# Altium PCB k210.PcbDoc (part 1 of 2)
Units mil, origin at the board's own origin, x right, y up, seen from the top; angles counter-clockwise.
Board outline 2559.06 x 1453.3 mil, 4 copper layers (TOP1, GND2, PWR3, Bottom 4), stack 23.756 mil thick; 94 components, 79 nets, 466 pads, 294 vias.
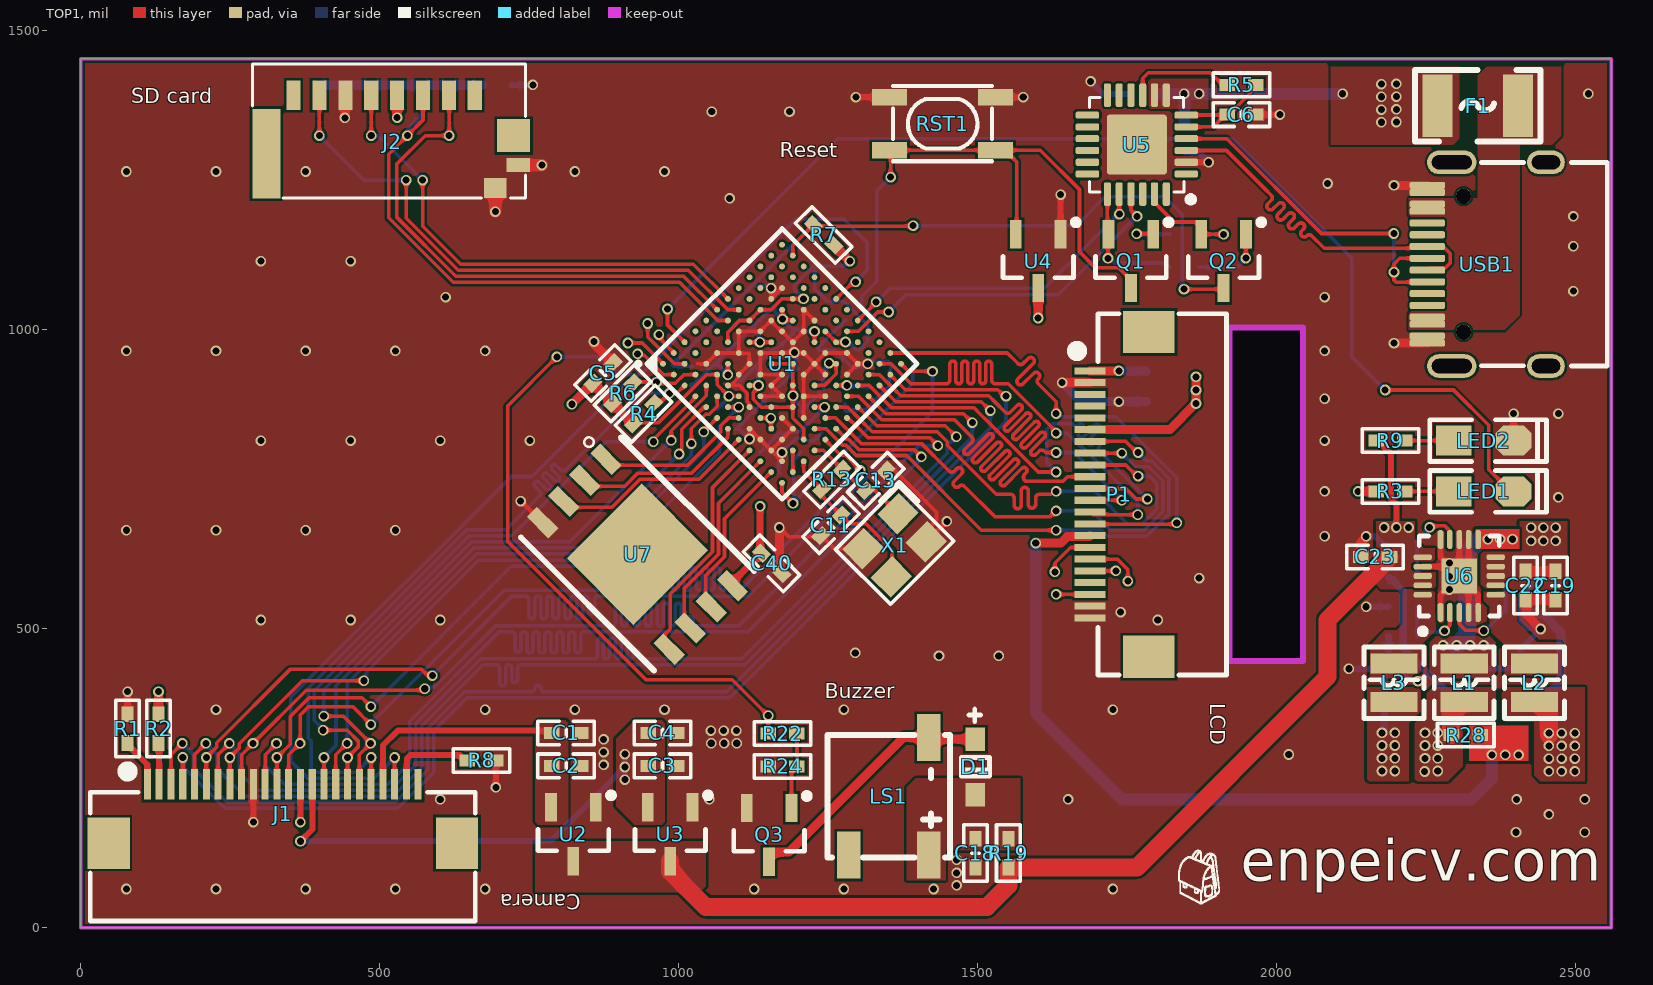
[diagram p0: TOP1 view]
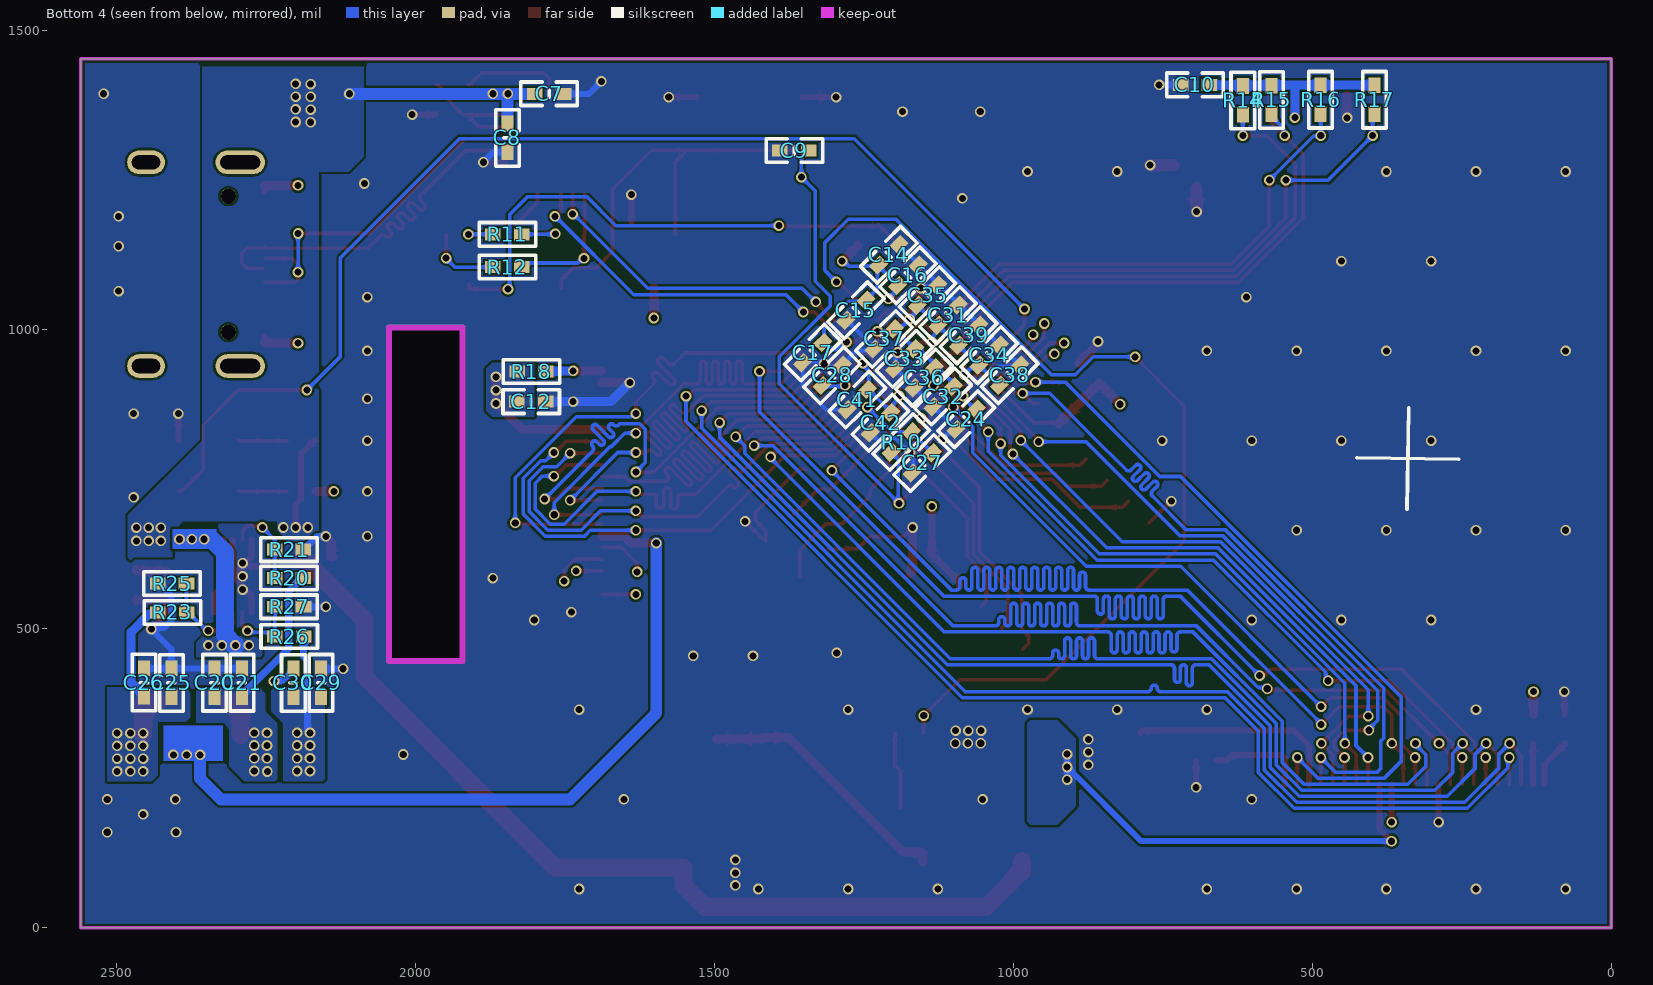
[diagram p1: Bottom 4 view, seen from below]
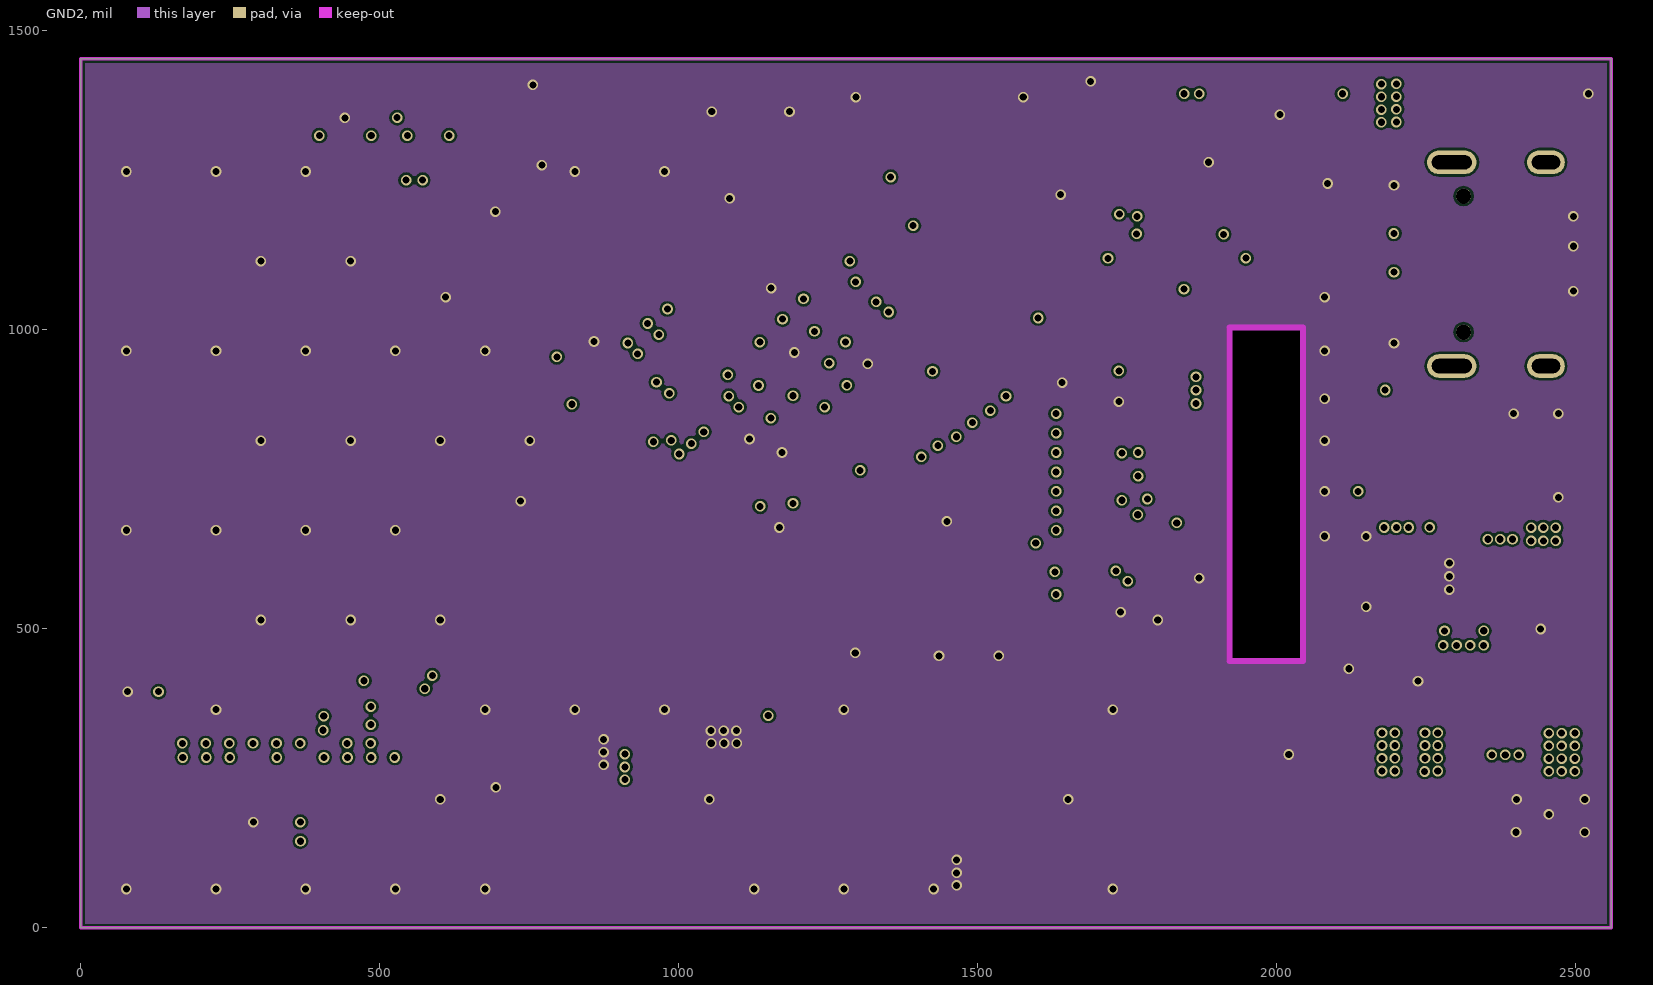
[diagram p2: GND2]
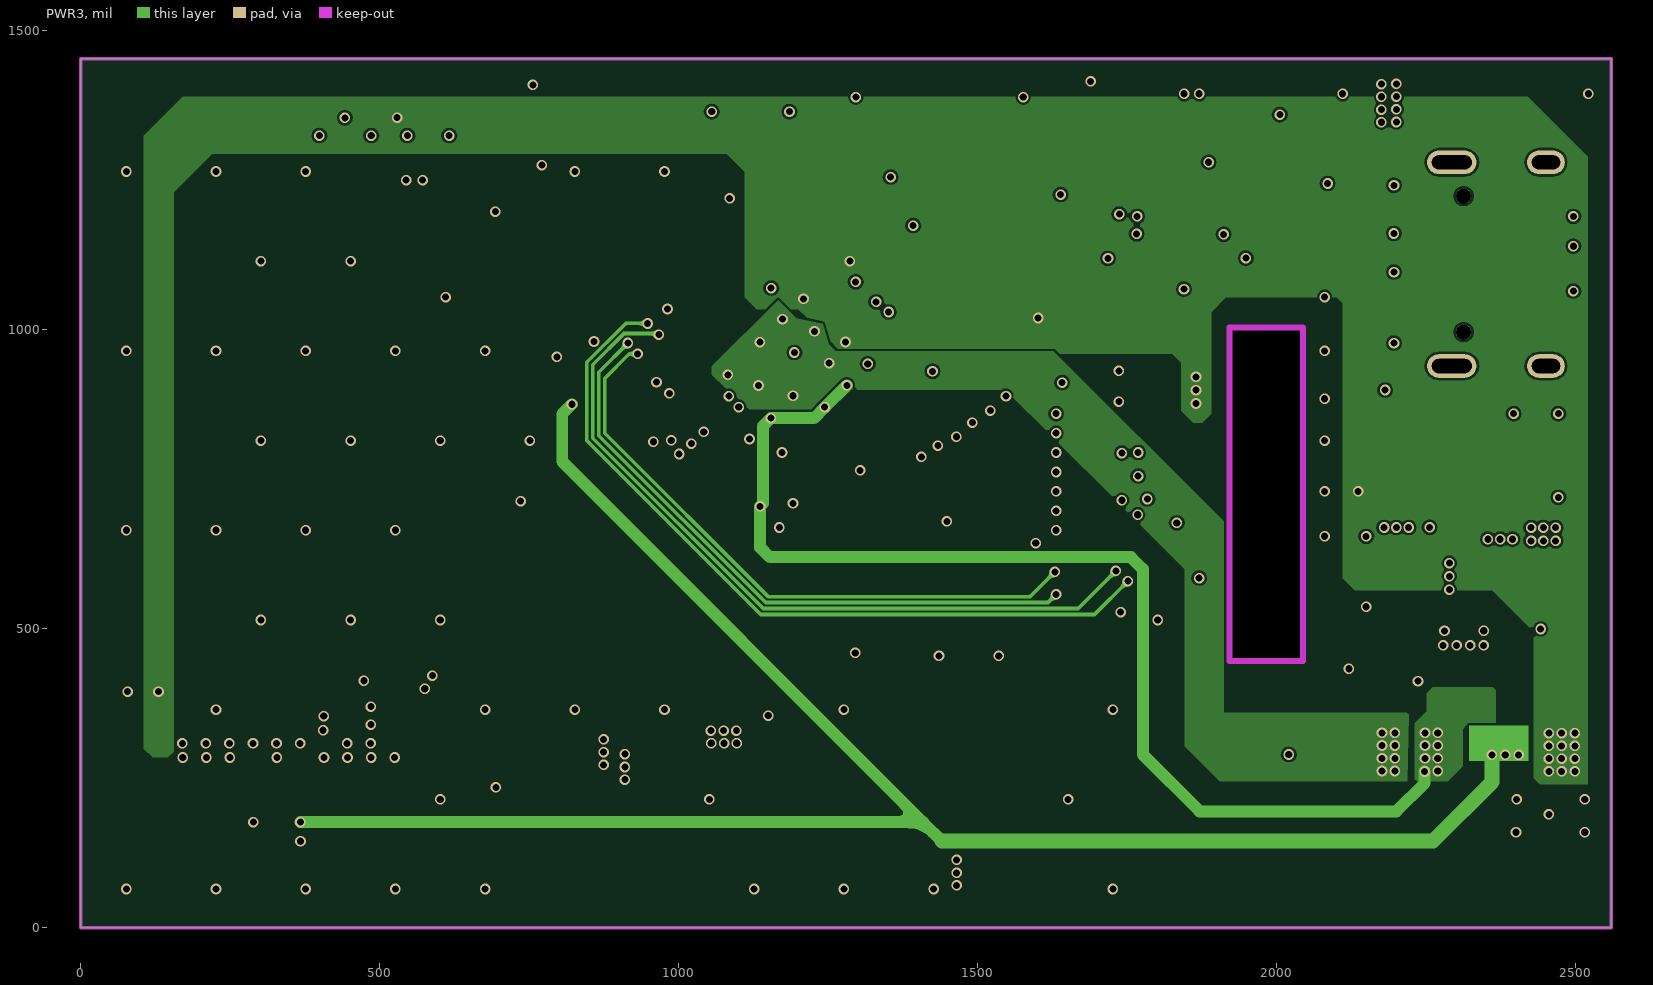
[diagram p3: PWR3]
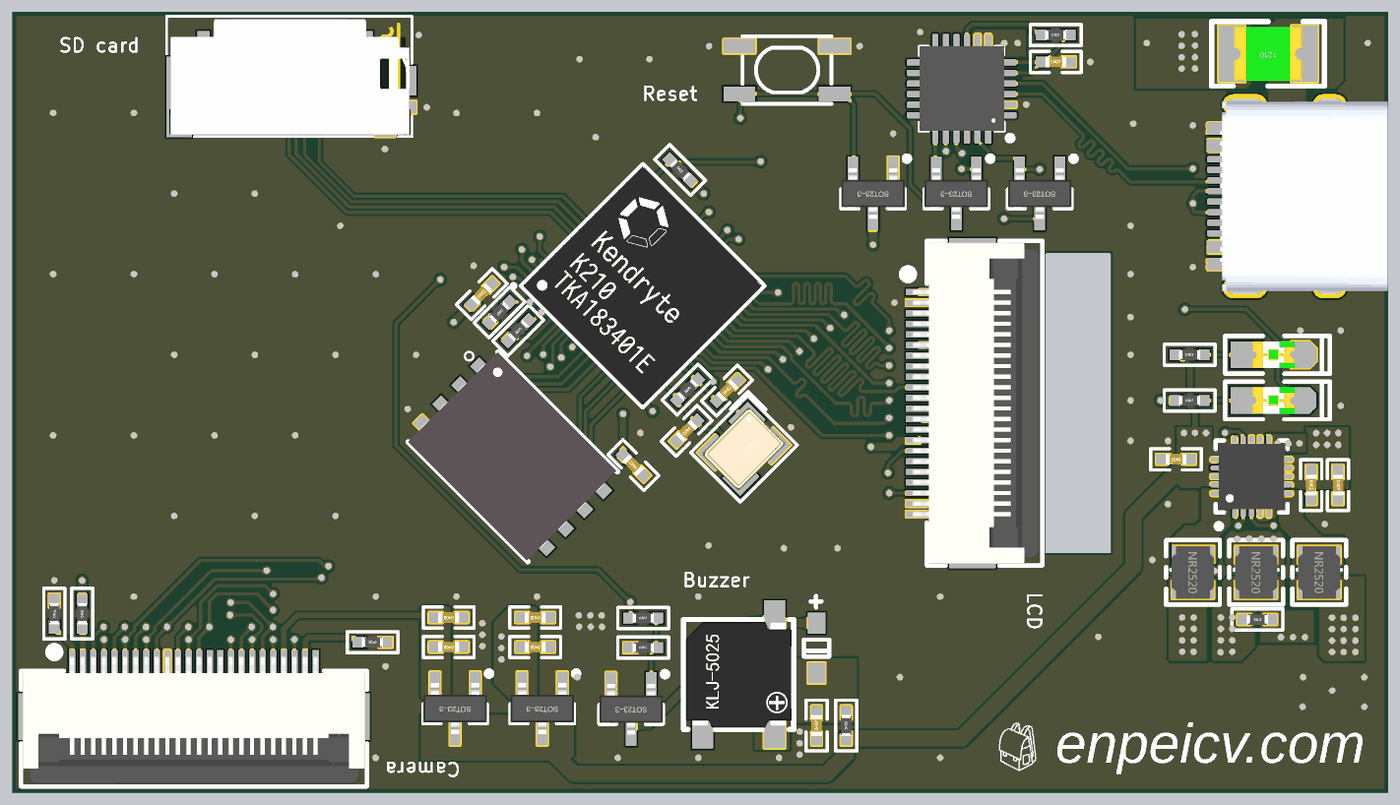
[diagram p5: 3D render of the assembled board from above, using the file's embedded part models]
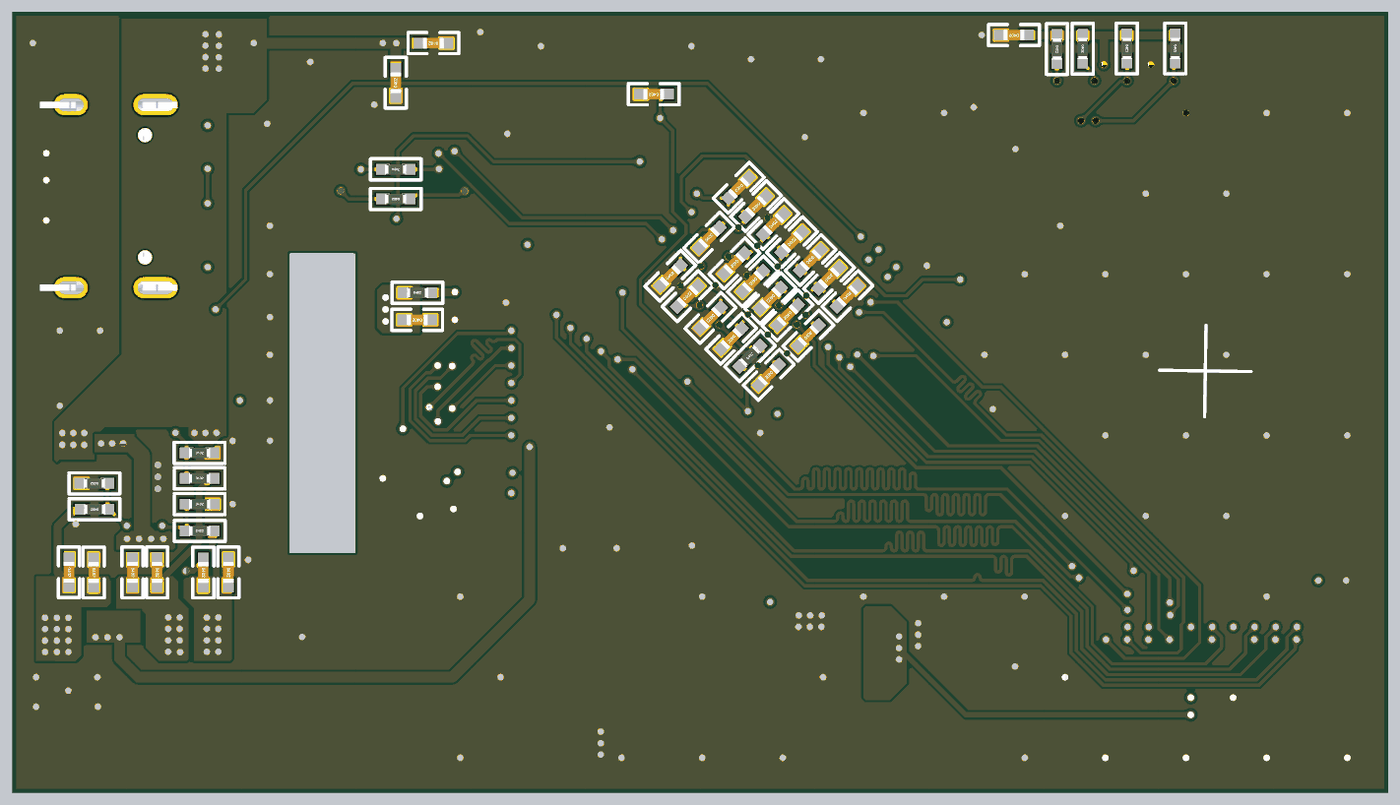
[diagram p6: 3D render of the assembled board from below, using the file's embedded part models]

## Layer stack, top to bottom
Top Solder: solder mask 0.4, Solder Resist, Dk 3.5
TOP1: signal copper 1.4
Dielectric 2: prepreg 2.8, PP-006, Dk 4.1
GND2: signal copper 1.378
Dielectric 1: dielectric 12.6, FR-4, Dk 4.8
PWR3: signal copper 1.378
Dielectric 3: prepreg 2.8, PP-006, Dk 4.1
Bottom 4: signal copper 1.4
Bottom Solder: solder mask 0.4, Solder Resist, Dk 3.5

## Board outline
0,0 0,1453.3 2559.06,1453.3 2559.06,0
cut-out: 1920.94,446.25 2043.45,446.25 2043.45,1003.75 1920.94,1003.75

## Design rules (kind name [scope] priority, off if disabled: settings)
Clearance [All] p1: gap=4 ignorepadtopadclearanceinfootprint=TRUE
MatchedLengths CAMERA_IIC [InxSignalClass('CMERA_IIC')] p1: tolerance=5 checknetsindiffpair=FALSE checkdiffpairvsdiffpair=TRUE checkxsignals=TRUE checkothers=TRUE
MatchedLengths USB [InxSignalClass('USB')] p2: tolerance=5 checknetsindiffpair=FALSE checkdiffpairvsdiffpair=TRUE checkxsignals=TRUE checkothers=TRUE
MatchedLengths CAMERA_SIGNAL [InxSignalClass('CAMERA_SIGNAL')] p3: tolerance=5 checknetsindiffpair=FALSE checkdiffpairvsdiffpair=TRUE checkxsignals=TRUE checkothers=TRUE
MatchedLengths LCD_SIGNAL [InxSignalClass('LCD_SIGNAL')] p4: tolerance=5 checknetsindiffpair=FALSE checkdiffpairvsdiffpair=TRUE checkxsignals=TRUE checkothers=TRUE
PlaneClearance [All] p1: clearance=7
PlaneConnect [All] p1: planeconnectstyle=Direct reliefexpansion=20 reliefentries=4 reliefconductorwidth=10 reliefairgap=10
PolygonConnect [All] p1: connectstyle=Direct reliefconductorwidth=10 reliefentries=4 polygonreliefangle="90 Angle" airgapwidth=10
RoutingVias [All] p1: holewidth=10 width=16 viastyle="Through Hole" minholewidth=8 minwidth=14 maxholewidth=12 maxwidth=24
SilkToSolderMaskClearance [IsPad] p1: minsilkscreentomaskgap=2 clearancetoexposedcopper=TRUE
SolderMaskExpansion [All] p1: expansion=2.5 istentingtop=FALSE
UnRoutedNet [All] p1: checkbadconnections=TRUE
Width PWR [InNetClass('PWR')] p1: maxlimit=100 minlimit=6 preferedwidth=15
Width [All] p2: maxlimit=15 minlimit=6 preferedwidth=6
26 further rules are at their usual default settings.

## Classes and differential pairs
net class CAMERA_IIC: DVP_SCL DVP_SDA
net class USB: USB-PWR-DM USB-PWR-DP
net class CAMERA_SIGNAL: DVP_Y2 DVP_Y3 DVP_Y4 DVP_Y5 DVP_Y6 DVP_Y7 DVP_Y8 DVP_Y9
net class LCD_SIGNAL: SPI0_D0 SPI0_D1 SPI0_D2 SPI0_D3 SPI0_D4 SPI0_D5 SPI0_D6 SPI0_D7
net class PWR: 0V9 1V8 3V3 AGND AVDD_2V8 DVDD_1V3 GND NetL1_1 NetL2_1 NetL3_1 VBUS VCC_BANK VIN

## Components (designator, comment, footprint, x,y, rotation, side; value= is the part's Value field where it differs from the comment)
C1 "10uF" "C 0402_M" 811.58,326.09 r180 top
C2 "0.1uF" "C 0402_M" 811.58,271.09 r180 top
C3 "10uF" "C 0402_M" 972.58,271.09 r180 top
C4 "0.1uF" "C 0402_M" 972.58,326.09 r180 top
C5 "10uF" "C 0402_M" 873.2,928 r45 top
C6 "10uF" "C 0402_M" 1940.94,1360 r0 top
C7 "10uF" "C 0402_M" 1775.94,1395 r0 bottom
C8 "0.1uF" "C 0402_M" 1845.88,1321.27 r90 bottom
C9 "0.1uF" "C 0402_M" 1365.94,1300 r0 bottom
C10 "0.1uF" "C 0402_M" 695.94,1410 r0 bottom
C11 "12pF" "C 0402_M" 1254.35,673.41 r225 top
C12 "0.1uF" "C 0402_M" 1805.94,880 r0 bottom
C13 "12pF" "C 0402_M" 1329.35,748.41 r45 top
C14 "0.1uF" "C 0402_M" 1207.84,1125.76 r315 bottom
C15 "0.1uF" "C 0402_M" 1262.92,1033.03 r135 bottom
C16 "0.1uF" "C 0402_M" 1175.86,1091.5 r315 bottom
C17 "4.7uF" "C 0402_M" 1335.2,962.14 r135 bottom
C18 "10uF" "C 0402_M" 1495.94,125 r90 top
C19 "10uF" "C 0402_M" 2465.94,572.5 r270 top
C20 "10uF" "C 0402_M" 2335.55,410.02 r270 bottom
C21 "0.1uF" "C 0402_M" 2289.91,410.02 r270 bottom
C22 "10uF" "C 0402_M" 2415.94,572.5 r270 top
C23 "10uF" "C 0402_M" 2164.49,620.57 r180 top
C24 "0.1uF" "C 0402_M" 1078.44,850.7 r135 bottom
C25 "10uF" "C 0402_M" 2407.86,409.89 r270 bottom
C26 "0.1uF" "C 0402_M" 2453.68,410.21 r270 bottom
C27 "0.1uF" "C 0402_M" 1152.15,777.57 r315 bottom
C28 "0.1uF" "C 0402_M" 1302.85,924.05 r135 bottom
C29 "10uF" "C 0402_M" 2157.29,410.02 r270 bottom
C30 "0.1uF" "C 0402_M" 2203.86,409.85 r270 bottom
C31 "0.1uF" "C 0402_M" 1108.76,1024.73 r135 bottom
C32 "0.1uF" "C 0402_M" 1117.11,888.57 r315 bottom
C33 "0.1uF" "C 0402_M" 1181.65,951.65 r315 bottom
C34 "0.1uF" "C 0402_M" 1040.02,957.8 r135 bottom
C35 "0.1uF" "C 0402_M" 1143.13,1058.2 r135 bottom
C36 "0.1uF" "C 0402_M" 1148.84,920.17 r315 bottom
C37 "0.1uF" "C 0402_M" 1215.94,985 r315 bottom
C38 "0.1uF" "C 0402_M" 1005.64,924.34 r135 bottom
C39 "4.7uF" "C 0402_M" 1074.39,991.27 r135 bottom
C40 "0.1uF" "C 0402_M" 1155.01,609.73 r135 top
C41 "0.1uF" "C 0402_M" 1260.55,883.59 r315 bottom
C42 "4.7uF" "C 0402_M" 1221.81,844.88 r315 bottom
D1 "1N4148" SOD-323 1495.94,315.59 r270 top
F1 "BSMD1210-200-6V" "FU 1210" 2335.94,1375 r180 top
J1 "FPC24-OV2640" "FPC0.5 2H-WS-24P" 337.64,141.69 r0 top
J2 "MicroSD TF  Short" "TF-SOCKET - short" 520.94,1315 r270 top locked
L1 "2.2uH" NR2520 2313.44,410.02 r270 top
L2 "2.2uH" NR2520 2430.94,410.02 r270 top
L3 "2.2uH" NR2520 2195.94,410.02 r270 top
LED1 "蓝色" "LED 0805G" 2345.94,730 r0 top
LED2 "红色" "LED 0805G" 2345.94,815 r0 top
LS1 "KLJ-5020" BUZ-SMD_4P-L5.0-W5.0-P3.80-TL 1350.94,220 r180 top
P1 "FPC22-LCD" "FPC0.5 2H-WS-22P" 1785.94,725 r270 top locked
Q1 "SS8050" SOT23-3N 1755.94,1115 r180 top
Q2 "SS8050" SOT23-3N 1910.94,1115 r180 top
Q3 "SS8050" SOT23-3N 1150.94,155.59 r180 top
R1 "0R" "R 0402_M" 78.02,333.24 r90 top
R2 "0R" "R 0402_M" 129.83,333.24 r90 top
R3 "4.7K" "R 0402_M" 2189.94,730 r0 top
R4 "2K" "R 0402_M" 940.94,860 r225 top
R5 "10K" "R 0402_M" 1940.94,1410 r0 top
R6 "2K" "R 0402_M" 906.06,894.05 r225 top
R7 "100K" "R 0402_M" 1242.11,1158.89 r315 top
R8 "0R" "R 0402_M" 670,280 r180 top
R9 "10K" "R 0402_M" 2189.94,815 r0 top
R10 "10K" "R 0402_M" 1187.07,812.61 r135 bottom
R11 "4.7K" "R 0402_M" 1845.94,1160 r180 bottom
R12 "4.7K" "R 0402_M" 1845.94,1105 r0 bottom
R13 "1M" "R 0402_M" 1255.94,750 r225 top
R14 "10K" "R 0402_M" 615.94,1384 r270 bottom
R15 "10K" "R 0402_M" 568.1,1384.59 r270 bottom
R16 "10K" "R 0402_M" 485.94,1385 r270 bottom
R17 "10K" "R 0402_M" 395.94,1385 r270 bottom
R18 "5R1" "R 0402_M" 1805.57,930.45 r180 bottom
R19 "10R" "R 0402_M" 1550.94,125 r90 top
R20 "200K" "R 0402_M" 2210.85,585.05 r180 bottom
R21 "100K" "R 0402_M" 2210.94,632.5 r180 bottom
R22 "510R" "R 0402_M" 1173.54,325 r0 top
R23 "453K" "R 0402_M" 2406.22,527.5 r0 bottom
R24 "10K" "R 0402_M" 1173.54,270 r0 top
R25 "100K" "R 0402_M" 2406.44,575.7 r0 bottom
R26 "56K" "R 0402_M" 2210.58,487.21 r180 bottom
R27 "100K" "R 0402_M" 2210.83,537.07 r180 bottom
R28 "0R" "R 0402_M" 2315.94,322.5 r180 top
RST1 "RES" SMD-3.2*4.2 1440.94,1345 r0 top
U1 "K210" BGA144C65P12X12_800X800X95 1172.56,943.39 r45 top locked
U2 "XC6206-2.8" SOT23-3N 823.52,156.68 r180 top
U3 "XC6206-1.3" SOT23-3N 985.55,156.68 r180 top
U4 "SGM803" SOT23-3N 1600.94,1115 r180 top
U5 "CP2104" QFN-24_L4.0-W4.0-P0.50-BL-EP2.8 1765.94,1310 r90 top locked
U6 "EA3036" QFN20_40P300X300X80_HS-21N 2305.2,588.52 r90 top locked
U7 "GD25LQ128" WSON-8_L8.0-W6.10-P1.27-BL-EP 930.94,625 r225 top
USB1 "USB Type C" Type-C-TOP 2350.94,1110 r0 top
X1 "26M" "OSC 3225-4P" 1360.94,640 r225 top
